# KiCad board IO_SDR_1.1.kicad_pcb (continued)
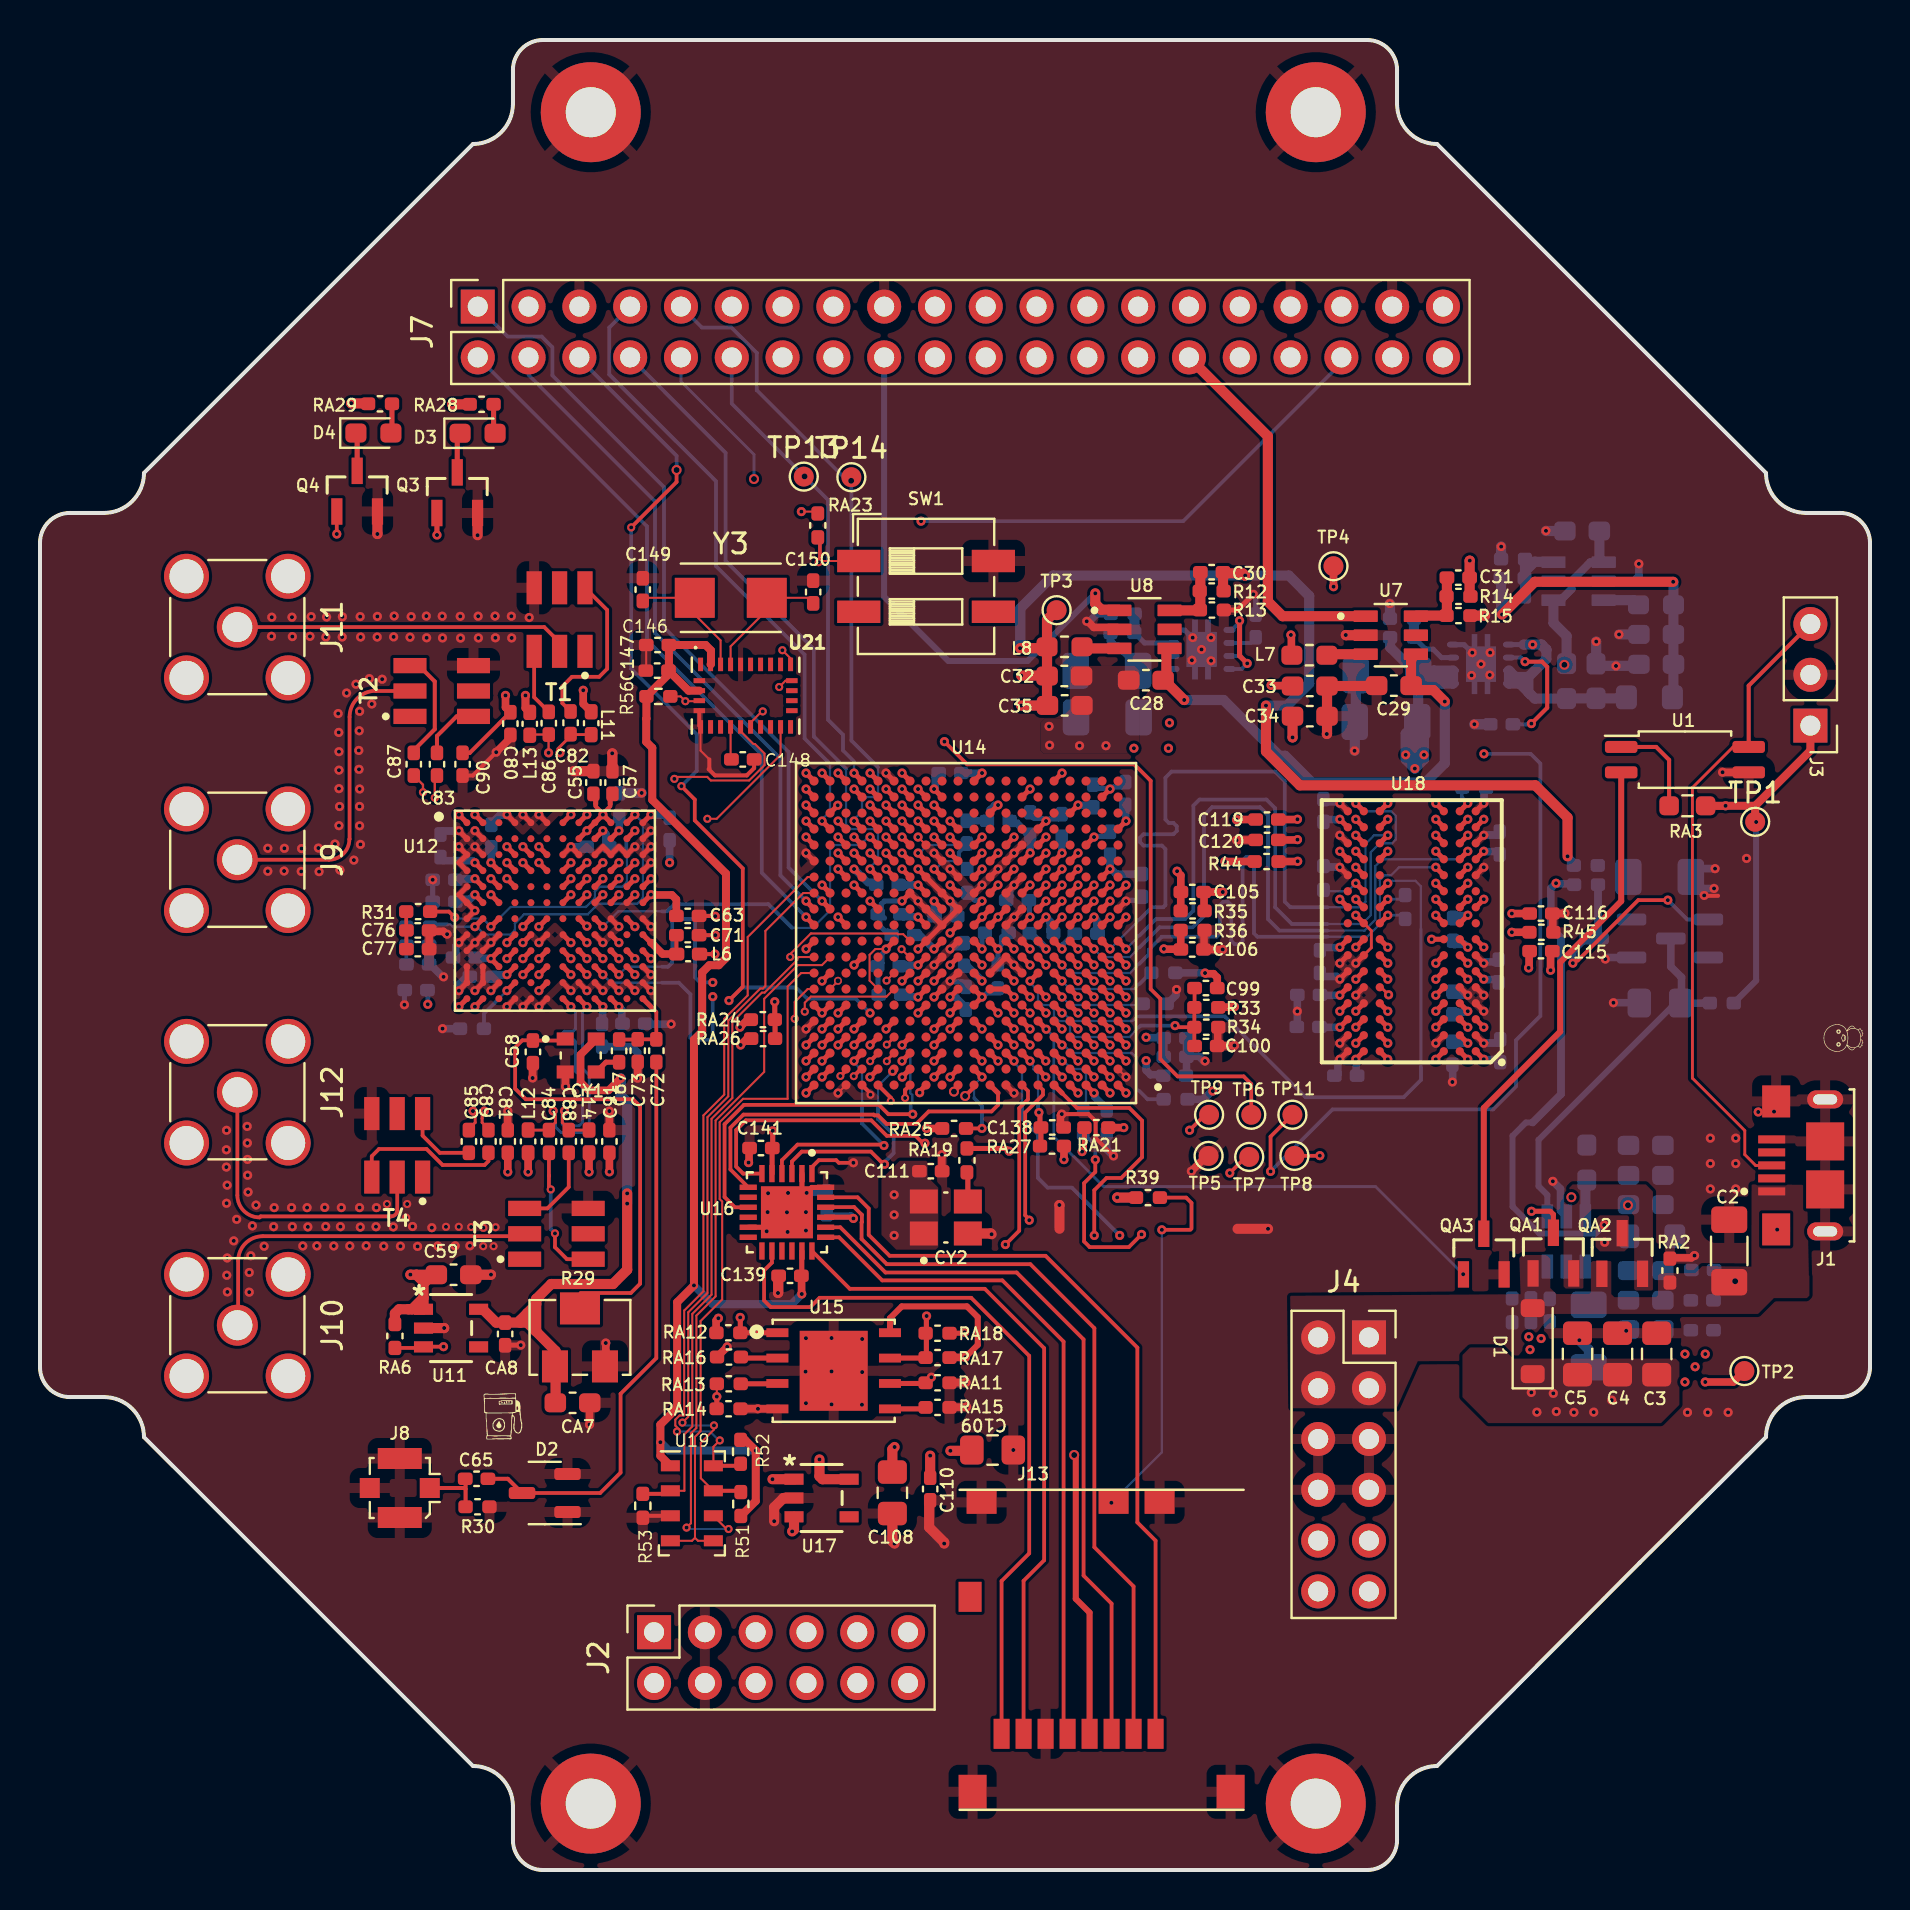
[diagram p0: board, top side]
## Routing (per net, layer and track width the routed paths; a pad name or vN(x,y) marks a point on that pad's centre or on a via; arc(x,y) is an arc through that point) (continued)
VDDA1P1_RX_VCO: length 17.1
  Top.Cu w0.254: v1(21.75,47.17) U12.G2 ; U12.A11 v1(29.75,52.77)
  Bottom.Cu w0.113: v1(29.75,52.77) 30.14,52.37 30.14,48.6 29.86,48.32 27.92,48.32 27.39,47.78 24.2,47.78 23.75,47.33 23.75,47 23.51,46.77 22.23,46.77 21.83,47.17 v1(21.75,47.17) 20.64,47.17 20.52,47.29 20.35,47.29
  Bottom.Cu w0.203: 19.63,47.29 20.35,47.29
+12L: length 28.1
  Top.Cu w0.254: v1(21.75,49.57) U12.E2 ; 22.95,45.17 v1(22.55,45.57) 22.95,45.97 ; U12.B9 v1(28.15,51.97) ; U12.B10 v1(28.95,51.97) ; v1(21.75,48.77) U12.F2
  Bottom.Cu w0.254: v1(19.39,43.29) 19.39,43.98
  Bottom.Cu w0.381: 21.83,45.58 22.53,45.58 v1(22.55,45.57) ; v1(28.95,51.97) 28.96,51.98 28.96,52.69 ; v1(28.15,51.97) 28.15,51.95 28.29,51.8 28.29,51.28 ; v1(21.75,49.57) 21.73,49.55 20.81,49.55 ; 20.89,48.54 21.5,48.54 21.72,48.77 v1(21.75,48.77) ; v1(31.48,50.37) C54.1
  Bottom.Cu w0.508: 70.16,59.51 69.94,59.73 C23.1 ; 70.16,59.51 69.7,59.97 ; 70.16,59.51 70.4,59.51 70.65,59.76 ; 70.16,59.51 70.16,59.32 ; v1(68.74,55.07) 68.28,55.53 v1(68.28,55.76) ; v1(68.74,55.07) 69.2,55.53 v1(69.2,55.76) ; v1(68.74,55.07) 68.74,55.27 ; C27.1 68.28,56.82 v1(68.28,55.76) ; 68.74,55.27 69.2,55.73 v1(69.2,55.76) ; 68.74,55.27 68.74,57.28 ; v1(69.2,55.76) 69.2,57.06 ; 70.16,59.32 U5.1 70.65,59.76 ; 70.16,59.32 69.32,59.32 ; 69.15,59.97 69.7,59.97 ; 69.7,59.97 U5.2 70.65,59.76 ; C23.1 67.5,61.14 R8.1 ; C23.1 68.91,57.45 ; v1(68.28,55.76) 68.29,55.75
+VSW: length 3
  Top.Cu w0.203: 31.82,45.81 C71.1
  Top.Cu w0.254: 30.15,46.77 30.55,46.37
  Top.Cu w0.381: 31.83,45.8 31.13,45.8 30.57,46.37 30.55,46.37
/Sheet1/TPP: length 33
  Top.Cu w0.254: v1(59.98,62.46) 59.98,60.71 v1(60.36,60.33)
  In2_Sig1.Cu w0.113: v1(74.63,61.27) 74.58,61.27 73.89,61.96 71.18,61.96 70.67,62.46 v1(59.98,62.46)
  Bottom.Cu w0.186: v1(59.98,62.46) 59.98,62.39 59.59,62 ; U6.7 59.99,60.7 v1(60.36,60.33) 60.08,60.05 U6.8
  Bottom.Cu w0.254: U5.5 74.19,61.27
  Bottom.Cu w0.508: 75.08,61.27 v1(74.63,61.27) 74.19,61.27 ; 75.08,61.27 75.08,61.23 75.32,60.99 ; 75.08,61.27 75.32,61.03 75.32,60.99 ; 75.32,60.99 75.32,60.55 74.42,59.65 ; 74.42,59.65 74.42,58.89 74.52,58.79 ; 74.42,59.65 73.77,59.65 U5.7 U5.8 73.99,59.32 74.52,58.79 ; L2.2 74.74,58.57 74.52,58.79 ; 76.34,58.58 79.27,58.58
/Sheet3/RX1A_N: length 10.3
  Top.Cu w0.142: 21.44,37.06 21.76,37.37 21.76,37.72
  Top.Cu w0.254: v1(21.75,43.17) U12.M2
  In4PWR2.Cu w0.113: v1(21.75,43.17) 21.75,43.15 21.52,42.93 21.52,41.8 20.6,40.88 20.6,39.53 20.72,39.41 20.9,39.41 21.02,39.29 21.02,39.14 20.9,39.02 20.72,39.02 20.6,38.9 20.6,38.74 20.72,38.62 20.9,38.62 21.02,38.5 21.02,38.34 20.9,38.22 20.72,38.22 20.6,38.11 20.6,37.63 20.84,37.39 21.68,37.39 21.76,37.48 21.76,37.75 21.65,37.86 v1(21.65,37.95)
/Sheet3/RX1A_P: length 10.4
  Top.Cu w0.142: 22.11,37.75 22.11,37.37 22.42,37.06
  Top.Cu w0.254: v1(20.95,43.17) 21.35,43.57
  In4PWR2.Cu w0.113: v1(20.95,43.17) 20.95,43.15 21.17,42.93 21.17,41.95 20.25,41.03 20.25,37.49 20.69,37.05 21.82,37.05 22.11,37.33 22.11,37.75 22.22,37.86 v1(22.22,37.95)
/Sheet3/RX2A_N: length 3.1
  Top.Cu w0.113: v3(19.74,53.61) 19.74,54.61
  Top.Cu w0.254: v1(20.95,52.77) 21.35,52.37
  In4PWR2.Cu w0.113: v3(19.74,53.61) 19.82,53.53 20.18,53.53 v1(20.95,52.77)
/Sheet3/RX2A_P: length 4.7
  Top.Cu w0.113: C87.1 19.15,54.26 v3(19.15,53.89)
  Top.Cu w0.254: v1(21.75,52.77) U12.A2
  In4PWR2.Cu w0.113: v1(21.75,52.77) 20.55,53.96 20.39,53.96 20.38,53.97 19.23,53.97 v3(19.15,53.89)
/Sheet3/SUP: length 28.6
  Top.Cu w0.186: 30.82,40.4 30.82,25.6 29.03,23.81 29.03,19.87 28.01,18.85 D2.3
  Top.Cu w0.2: D2.3 23.39,19.56 C65.1
/Sheet3/TX1A_N: length 11.4
  Top.Cu w0.142: 25.77,37.75 25.77,37.38 25.45,37.05 ; 24.41,37 C84.1
  Top.Cu w0.254: 26.95,43.57 v1(27.35,43.17)
  Bottom.Cu w0.142: v1(25.66,37.95) 25.66,37.87 25.77,37.75 25.77,37.16 26.06,36.87 27.1,36.87 27.47,37.24 27.47,39.73 27.12,40.08 27.12,42.93 27.35,43.15 v1(27.35,43.17)
/Sheet3/TX1A_P: length 11.3
  Top.Cu w0.142: 26.11,37.75 26.11,37.38 26.44,37.05 ; C88.1 27.45,37
  Top.Cu w0.254: 26.15,43.57 v1(26.55,43.17)
  Bottom.Cu w0.142: v1(26.55,43.17) 26.55,43.15 26.77,42.93 26.77,42.06 26.65,41.94 26.22,41.94 26.1,41.82 26.1,41.66 26.22,41.54 26.65,41.54 26.77,41.42 26.77,39.94 27.12,39.59 27.12,37.38 26.96,37.22 26.2,37.22 26.11,37.3 26.11,37.75 26.23,37.87 v1(26.23,37.95)
/Sheet3/TX2A_N: length 9.5
  Top.Cu w0.142: 25.89,56.06 26.6,56.77 27.55,56.77
  Top.Cu w0.254: 26.15,52.37 v1(26.55,52.77)
  In4PWR2.Cu w0.113: v1(26.55,52.77) 26.55,52.78 26.77,53.01 26.77,53.47 27.47,54.16 27.47,56.21 27.31,56.37 27.03,56.37 26.96,56.29 26.96,55.82 26.88,55.73 26.61,55.73 26.53,55.82 26.53,56.24 26.4,56.37 26.06,56.37 25.89,56.19 25.89,56.06 26,55.94 v1(26,55.86)
/Sheet3/TX2A_P: length 9.5
  Top.Cu w0.113: v1(25.43,55.86) 25.43,56.76 ; C86.1 24.52,56.77
  Top.Cu w0.254: 26.95,52.37 v1(27.35,52.77)
  In4PWR2.Cu w0.113: v1(27.35,52.77) 27.35,52.78 27.12,53.01 27.12,53.33 27.81,54.02 27.81,56.36 27.46,56.71 25.92,56.71 25.54,56.33 25.54,56.06 25.43,55.94 v1(25.43,55.86)
/Sheet3/UB1: length 16.4
  Top.Cu w0.186: 25.98,61.38 25.21,62.15 J11.1
/Sheet3/UB2: length 16.1
  Top.Cu w0.186: J9.1 14.44,50.51 arc(15.17,50.81) 15.47,51.54 15.48,51.55 15.48,57.65 arc(15.86,58.58) 16.79,58.96 16.8,58.95 T2.2
/Sheet3/UB3: length 18.1
  Top.Cu w0.186: 24.11,31.69 11.14,31.69 arc(10.27,31.33) 9.91,30.46 9.91,27.28
/Sheet3/UB4: length 15.6
  Top.Cu w0.186: J12.1 9.87,33.74 arc(10.19,32.95) 10.98,32.63 11.03,32.68 17.55,32.68 arc(17.75,32.75) 17.86,32.94 17.86,34.64
/Sheet3/XT1: length 4.2
  Top.Cu w0.186: 28.96,41.52 29.88,41.52 ; C73.1 30.82,41.53 30.82,42.9 30.55,43.17
  Top.Cu w0.254: 30.15,43.57 30.55,43.17
/Sheet4/CMDB0: length 35.2
  Top.Cu w0.186: U16.20 40.01,32.14 42.27,29.88 48.83,29.88 52.18,26.53 52.18,14.72 53.58,13.32 53.58,7.16
/Sheet4/CMDB1: length 33.5
  Top.Cu w0.186: 51.18,7.01 51.18,26.42 48.12,29.48 42.11,29.48 39.96,31.64 U16.19
/Sheet4/DAT0: length 33.3
  Top.Cu w0.186: J13.7 49.18,14.46 50.21,15.49 50.21,26.09 47.24,29.06 40.49,29.06 U16.18
/Sheet4/DAT1: length 36.9
  Top.Cu w0.186: J13.8 48.08,14.45 49.46,15.83 49.46,25.71 46.56,28.61 38.98,28.61 38.52,28.15 36.53,28.15 36.2,28.48 36.2,29.98 36.6,30.37 U16.14
/Sheet4/DAT2: length 39.2
  Top.Cu w0.186: U16.23 40.88,33.64 41.44,33.08 41.44,31.75 42.48,30.71 50.28,30.71 54.87,26.12 54.87,17.38 55.78,16.47 J13.1
/Sheet4/DAT3: length 37.8
  Top.Cu w0.186: 39.29,33.15 40.71,33.15 41.08,32.77 41.08,32.77 41.09,32.75 41.09,32.4 41.08,32.39 41.08,31.55 42.34,30.29 49.52,30.29 52.72,27.09 52.72,16.14 54.68,14.18 J13.2
/Sheet4/DDR-CK_N: length 33.7
  Top.Cu w0.254: U14.M2 v1(53.5,48.45) ; U18.K7 v1(67.39,48.54)
  In4PWR2.Cu w0.113: v1(53.5,48.45) 53.5,48.36 53.9,47.97 53.9,47.23 54.16,46.97 54.44,46.97 55.12,47.64 57.24,47.64 57.32,47.73 57.32,50.36 57.61,50.64 58.39,50.64 58.68,50.36 58.68,47.78 58.81,47.64 59.63,47.64 59.71,47.73 59.71,50.13 60,50.41 60.68,50.41 60.97,50.13 60.97,47.41 61.05,47.32 61.57,47.32 61.66,47.41 61.66,49.59 61.94,49.88 62.69,49.88 63.02,49.55 63.02,47.41 63.1,47.32 64.56,47.32 64.58,47.31 66.08,47.31 66.19,47.41 66.19,48.29 66.44,48.54 v1(67.39,48.54)
  Bottom.Cu w0.142: 68.01,48.54 67.39,48.54 v1(67.39,48.54)
/Sheet4/DDR-CK_P: length 33.7
  Top.Cu w0.254: U18.J7 v1(67.39,47.74) ; U14.L2 v1(53.5,47.65)
  In4PWR2.Cu w0.113: v1(53.5,47.65) 53.56,47.59 53.56,47.08 54.02,46.62 54.58,46.62 55.26,47.3 57.38,47.3 57.67,47.59 57.67,50.21 57.75,50.3 58.25,50.3 58.33,50.21 58.33,47.63 58.66,47.3 59.77,47.3 60.05,47.59 60.05,49.98 60.14,50.07 60.54,50.07 60.62,49.98 60.62,47.26 60.91,46.98 61.72,46.98 62,47.26 62,49.45 62.08,49.53 62.54,49.53 62.67,49.41 62.67,47.26 62.96,46.98 64.56,46.98 64.58,46.99 66.21,46.99 66.5,47.28 66.5,48.15 66.57,48.22 67.14,48.22 67.32,48.04 67.32,47.8 v1(67.39,47.74)
  Bottom.Cu w0.142: v1(67.39,47.74) 68.06,47.74
/Sheet4/DDR-DQ0: length 30.8
  Top.Cu w0.254: v1(69.79,43.74) U18.E3 ; U14.C3 v1(52.7,40.45)
  In4PWR2.Cu w0.113: v1(52.7,40.45) 52.7,40.36 52.3,39.97 52.3,38.39 53.02,37.67 68.18,37.67 70.9,40.39 70.9,43.01 71.22,43.34 71.55,43.34 71.79,43.57 71.79,44.7 71.55,44.94 71.21,44.94 70.07,43.8 69.85,43.8 v1(69.79,43.74)
/Sheet4/DDR-DQ1: length 30.9
  Top.Cu w0.254: U14.B3 v1(52.7,39.65) ; U18.F7 v1(67.39,44.54)
  In4PWR2.Cu w0.113: v1(67.39,44.54) 66.99,44.54 66.76,44.31 66.76,41.86 66.68,41.79 66.38,41.79 66.2,41.97 66.2,42.36 66.02,42.54 64.6,42.54 64.4,42.34 64.4,41.7 64.32,41.63 64.08,41.63 63.95,41.76 63.95,42.77 63.82,42.9 63.65,42.9 63.52,42.77 63.52,41.75 63.39,41.62 63.22,41.62 63.09,41.75 63.09,42.33 62.96,42.46 62.79,42.46 62.66,42.33 62.66,41.75 62.53,41.62 62.36,41.62 62.23,41.75 62.23,42.69 62.1,42.82 61.93,42.82 61.8,42.69 61.8,41.75 61.67,41.62 61.5,41.62 61.37,41.75 61.37,42.69 61.24,42.82 61.07,42.82 60.94,42.69 60.94,41.76 60.81,41.63 60.7,41.63 60.05,42.27 58.9,42.27 58.78,42.16 58.78,41.56 58.6,41.37 56.05,41.37 55.86,41.56 55.86,42.02 55.76,42.12 55,42.12 54.74,41.86 54.74,41.12 54.47,40.85 53.3,40.85 53.1,40.65 53.1,40.28 52.99,40.18 52.99,40.06 52.86,39.93 52.86,39.9 52.7,39.74 v1(52.7,39.65)
/Sheet4/DDR-DQ2: length 29.4
  Top.Cu w0.254: U14.A2 v1(53.5,38.85) ; U18.F2 v1(71.39,44.54)
  In4PWR2.Cu w0.113: v1(53.5,38.85) 53.56,38.79 53.56,38.21 53.78,37.98 54.23,37.98 54.35,38.11 54.35,38.15 54.48,38.28 54.66,38.28 54.79,38.15 54.79,38.09 54.91,37.96 55.09,37.96 55.22,38.09 55.22,38.43 55.35,38.56 55.52,38.56 55.65,38.43 55.65,38.09 55.78,37.96 55.95,37.96 56.08,38.09 56.08,38.43 56.21,38.56 56.38,38.56 56.51,38.43 56.51,38.09 56.64,37.96 56.81,37.96 56.94,38.09 56.94,38.43 57.07,38.56 57.24,38.56 57.37,38.43 57.37,38.11 57.5,37.98 67.99,37.98 70.67,40.67 70.67,41.25 70.56,41.36 70.3,41.36 70.19,41.47 70.19,41.62 70.3,41.73 70.56,41.73 70.67,41.84 70.67,41.99 70.56,42.1 70.3,42.1 70.19,42.21 70.19,42.35 70.3,42.46 70.56,42.46 70.67,42.57 70.67,42.72 70.56,42.83 70.3,42.83 70.19,42.94 70.19,43.09 70.3,43.2 70.56,43.2 70.67,43.31 70.67,43.82 v1(71.39,44.54)
/Sheet4/DDR-DQ3: length 29.9
  Top.Cu w0.254: v1(65.79,44.54) U18.F8 ; U14.A4 v1(51.9,38.85)
  In4PWR2.Cu w0.113: v1(65.79,44.54) 65.71,44.54 65.31,44.94 64.6,44.94 64.25,45.29 64.25,45.8 64.08,45.96 59.78,45.96 59.67,45.86 59.67,44.35 59.55,44.23 58.99,44.23 58.84,44.38 58.84,45.45 58.15,46.13 57.59,46.13 56.65,45.19 56.65,45.04 57.13,44.56 57.79,44.56 58.23,44.12 58.23,43.67 58,43.44 56.49,43.44 56.35,43.58 56.35,44.43 56.22,44.56 55.94,44.56 55.69,44.3 55.69,43.72 55.41,43.44 54.9,43.44 54.71,43.25 53.34,43.25 53.1,43.01 53.1,41.08 52.87,40.85 52.64,40.85 52.64,40.85 52.54,40.85 52.3,40.61 52.3,40.28 52.06,40.05 51.74,40.05 51.5,39.81 51.5,39.71 51.5,39.71 51.5,38.91 51.57,38.85 v1(51.9,38.85)
/Sheet4/DDR-DQ4: length 30.4
  Top.Cu w0.254: v1(69.58,46.54) U18.H3 ; U14.D3 v1(52.7,41.25)
  In4PWR2.Cu w0.113: v1(52.7,41.25) 52.69,41.26 52.38,41.26 52.3,41.33 52.3,43.01 52.54,43.25 52.86,43.25 53.1,43.48 53.1,43.81 53.34,44.05 54.97,44.05 57.44,46.51 59.34,46.51 59.59,46.25 64.49,46.25 64.59,46.15 64.59,45.81 64.66,45.74 65.31,45.74 65.39,45.82 65.39,46.3 65.62,46.54 67.69,46.54 68.26,47.11 72.69,47.11 72.75,47.04 72.75,46.69 72.6,46.54 v1(69.58,46.54)
/Sheet4/DDR-DQ5: length 29.6
  Top.Cu w0.254: v1(65.79,46.14) U18.H8 ; U14.D1 v1(54.3,41.25)
  In4PWR2.Cu w0.113: v1(54.3,41.25) 54.3,41.25 53.97,41.25 53.9,41.32 53.9,42.38 53.97,42.45 54.51,42.45 55.16,43.09 57.11,43.09 57.21,42.99 57.21,42.09 57.31,41.99 57.96,41.99 58.06,42.09 58.06,42.99 58.16,43.09 58.99,43.09 59.09,43.2 59.09,43.79 59.19,43.9 59.93,43.9 60.03,44 60.03,45.57 60.13,45.67 60.59,45.67 60.72,45.54 60.72,45.28 60.85,45.16 61.02,45.16 61.15,45.28 61.15,45.54 61.28,45.67 61.45,45.67 61.58,45.54 61.58,45.28 61.71,45.16 61.88,45.16 62.01,45.28 62.01,45.54 62.14,45.67 62.31,45.67 62.44,45.54 62.44,45.29 62.57,45.16 62.74,45.16 62.87,45.29 62.87,45.54 63,45.67 63.84,45.67 63.95,45.57 63.95,44.56 64.37,44.14 65.35,44.14 65.35,44.14 65.95,44.14 66.86,45.05 66.86,45.28 66.8,45.34 66.36,45.34 65.95,44.94 65.63,44.94 65.39,45.17 65.39,45.5 65.62,45.74 66.87,45.74 66.94,45.8 66.94,46.22 66.87,46.28 66.03,46.28 65.88,46.14 v1(65.79,46.14)
/Sheet4/DDR-DQ6: length 30.3
  Top.Cu w0.254: U18.G2 v1(71.39,45.34) ; U14.C1 v1(54.3,40.45)
  In4PWR2.Cu w0.113: v1(54.3,40.45) 54.36,40.5 54.58,40.5 55.08,41 58.99,41 59.11,41.13 59.11,41.84 59.22,41.94 59.9,41.94 60.51,41.33 64.1,41.33 64.4,41.03 64.4,40.34 64.6,40.14 66.11,40.14 66.3,40.34 66.3,41.39 66.37,41.46 66.85,41.46 66.92,41.39 66.92,40.34 67.12,40.14 67.55,40.14 68.18,40.77 68.18,43.11 67.95,43.34 67.12,43.34 66.99,43.46 66.99,44.01 67.13,44.15 67.77,44.15 67.98,44.35 67.98,45.01 68.01,45.05 68.01,45.71 68.33,46.03 70.7,46.03 v1(71.39,45.34)
/Sheet4/DDR-DQ7: length 29.6
  Top.Cu w0.254: U18.H7 v1(67.39,46.14) ; U14.E1 v1(54.3,42.05)
  In4PWR2.Cu w0.113: v1(54.3,42.05) 54.39,42.05 54.56,42.22 54.69,42.22 55.28,42.8 55.97,42.8 56.19,42.58 56.19,41.79 56.32,41.66 58.2,41.66 58.38,41.84 58.38,42.3 58.68,42.6 60.15,42.6 60.26,42.7 60.26,43.49 60.39,43.62 60.73,43.62 60.86,43.75 60.86,44.74 60.99,44.86 61.16,44.86 61.29,44.74 61.29,43.24 61.42,43.11 61.59,43.11 61.72,43.24 61.72,44.74 61.85,44.86 62.02,44.86 62.15,44.74 62.15,43.46 62.28,43.33 62.45,43.33 62.58,43.46 62.58,44.74 62.71,44.87 62.88,44.87 63.01,44.74 63.01,43.55 63.14,43.42 63.31,43.42 63.44,43.55 63.44,44.13 63.57,44.26 63.74,44.26 63.87,44.13 63.87,43.75 64,43.62 64.17,43.62 64.45,43.34 66.33,43.34 66.46,43.46 66.46,44.32 67.07,44.94 67.55,44.94 67.79,45.17 67.79,46.07 67.72,46.13 67.39,46.13 v1(67.39,46.14)
/Sheet4/DDR-DQ8: length 27.4
  Top.Cu w0.254: U18.D7 v1(67.39,42.94) ; U14.E2 v1(53.5,42.05)
  In2_Sig1.Cu w0.113: v1(67.39,42.94) 68.42,42.94 68.82,43.34 69.95,43.34 70.19,43.1 70.19,42.77 69.95,42.54 69.06,42.54 68.94,42.42 68.94,40.47 ; 63.99,38.89 63.48,38.38 57.08,38.38 56.45,39.02 56.45,41.38 55.38,42.45 53.9,42.45 v1(53.5,42.05) ; 63.99,38.9 64.13,39.03 67.51,39.03 68.94,40.47
/Sheet4/DDR-DQ9: length 28.1
  Top.Cu w0.254: U14.E3 v1(52.7,42.05) ; v1(69.79,42.14) U18.C3
  In2_Sig1.Cu w0.113: v1(69.79,42.14) 69.28,42.14 69.2,42.06 69.2,40.11 67.83,38.74 64.44,38.74 63.73,38.03 56.27,38.03 56.07,38.23 56.07,38.39 55.94,38.52 55.15,38.52 55.02,38.64 55.02,38.82 55.15,38.95 56.03,38.95 56.16,39.08 56.16,39.25 56.03,39.38 55.15,39.38 55.02,39.51 55.02,39.68 55.15,39.81 55.94,39.81 56.07,39.94 56.07,40.95 55.94,41.08 55.13,41.08 54.55,41.65 53.18,41.65 52.78,42.05 v1(52.7,42.05)
/Sheet4/DDR-DQ10: length 28.3
  Top.Cu w0.254: v1(65.79,42.14) U18.C8 ; U14.G3 v1(52.7,43.65)
  In2_Sig1.Cu w0.113: v1(52.7,43.65) 52.7,43.73 53.1,44.13 53.1,44.61 53.34,44.85 54.46,44.85 54.75,45.13 54.75,46.16 54.85,46.26 55.58,46.26 55.66,46.18 55.66,45.7 55.76,45.6 56.63,45.6 56.76,45.73 56.76,46.06 56.86,46.17 58.16,46.17 58.79,45.55 59.34,45.55 59.34,45.55 59.47,45.55 59.64,45.38 59.64,45.12 59.8,44.95 60.03,44.95 60.19,45.12 60.19,45.52 60.36,45.69 60.58,45.69 60.75,45.52 60.75,45.12 60.92,44.95 61.14,44.95 61.31,45.12 61.31,45.52 61.48,45.69 61.7,45.69 61.87,45.52 61.87,45.12 62.03,44.95 62.26,44.95 62.43,45.12 62.43,45.38 62.59,45.55 63.61,45.55 64.47,44.68 64.47,44.38 64.71,44.14 65.96,44.14 66.48,44.66 66.84,44.66 66.99,44.5 66.99,43.75 66.58,43.34 65.52,43.34 65.39,43.21 65.39,42.67 65.53,42.54 66.39,42.54 66.46,42.47 66.46,41.9 66.39,41.84 66.09,41.84 v1(65.79,42.14)
/Sheet4/DDR-DQ11: length 27.6
  Top.Cu w0.254: U14.H3 v1(52.7,44.45) ; U18.C2 v1(71.39,42.14)
  In2_Sig1.Cu w0.113: v1(52.7,44.45) 52.62,44.45 52.22,44.85 51.74,44.85 51.5,45.08 51.5,46.55 52.21,47.25 60.59,47.25 61.15,46.69 67.99,46.69 68.94,45.74 69.97,45.74 70.88,44.84 70.88,42.65 v1(71.39,42.14)
/Sheet4/DDR-DQ12: length 28
  Top.Cu w0.254: U18.A7 v1(67.39,40.54) ; U14.J3 v1(52.7,45.25)
  In2_Sig1.Cu w0.113: v1(67.39,40.54) 68.05,40.54 68.34,40.82 68.34,42.3 68.09,42.54 66.9,42.54 66.71,42.73 66.71,43.13 66.92,43.34 68.36,43.34 68.92,43.9 68.92,44.43 68.67,44.68 68.36,44.68 68.21,44.53 68.21,44.24 68.14,44.18 67.85,44.18 67.79,44.24 67.79,44.8 67.65,44.94 64.7,44.94 63.66,45.98 60.67,45.98 60.05,46.59 53.27,46.59 53.1,46.41 53.1,45.73 52.7,45.33 v1(52.7,45.25)
/Sheet4/DDR-DQ13: length 27.8
  Top.Cu w0.254: U18.A2 v1(71.39,40.54) ; U14.H2 v1(53.5,44.45)
  In2_Sig1.Cu w0.113: v1(53.5,44.45) 53.5,44.35 53.33,44.18 53.33,44.04 53.1,43.81 53.1,42.69 52.87,42.45 52.53,42.45 52.3,42.22 52.3,41.88 52.54,41.65 52.86,41.65 53.1,41.41 53.1,41.08 53.34,40.85 53.67,40.85 53.9,40.61 53.9,38.57 54.77,37.7 64.04,37.7 64.79,38.45 68.45,38.45 70.54,40.54 v1(71.39,40.54)
/Sheet4/DDR-DQ14: length 28.1
  Top.Cu w0.254: v1(65.79,41.34) U18.B8 ; U14.H1 v1(54.3,44.45)
  In2_Sig1.Cu w0.113: v1(54.3,44.45) 54.36,44.5 54.79,44.5 55.23,44.94 57.11,44.94 57.74,44.3 58.03,44.3 58.2,44.13 58.2,43.63 58.37,43.47 58.59,43.47 58.76,43.63 58.76,45.09 58.93,45.26 59.15,45.26 59.32,45.09 59.32,43.81 59.49,43.64 59.71,43.64 59.88,43.81 59.88,44.49 60.04,44.66 60.27,44.66 60.43,44.49 60.43,43.74 60.6,43.57 60.83,43.57 60.99,43.74 60.99,44.49 61.16,44.66 61.38,44.66 61.55,44.49 61.55,43.74 61.72,43.57 61.94,43.57 62.11,43.74 62.11,44.49 62.28,44.66 62.5,44.66 62.67,44.49 62.67,43.63 62.83,43.47 63.06,43.47 63.22,43.63 63.22,44.13 63.39,44.3 63.94,44.3 64.27,43.97 64.27,42.5 64.17,42.4 62.87,42.4 62.72,42.24 62.72,41.94 62.92,41.74 65.39,41.74 v1(65.79,41.34)
/Sheet4/DDR-DQ15: length 28.4
  Top.Cu w0.254: U14.J1 v1(54.3,45.25) ; v1(69.79,40.54) U18.A3
  In2_Sig1.Cu w0.113: v1(69.79,40.54) 69.85,40.54 69.85,40.6 70.44,41.19 70.44,43.69 70,44.14 69.62,44.14 68.03,45.74 64.67,45.74 64.09,46.31 60.89,46.31 60.31,46.89 52.77,46.89 52.3,46.43 52.3,45.08 52.54,44.85 52.87,44.85 53.1,45.09 53.1,45.41 53.34,45.65 53.82,45.65 54.22,45.25 v1(54.3,45.25)
/Sheet4/DDR-LDM: length 31.7
  Top.Cu w0.142: 67.05,44.14 v1(67.43,43.76)
  Top.Cu w0.254: U14.A1 v1(54.3,38.85)
  In4PWR2.Cu w0.113: v1(54.3,38.85) 57.97,38.85 58.38,38.43 63.7,38.43 63.87,38.6 63.87,38.97 64.03,39.14 64.26,39.14 64.42,38.97 64.42,38.44 64.59,38.27 64.82,38.27 64.98,38.44 64.98,38.97 65.15,39.14 65.37,39.14 65.54,38.97 65.54,38.44 65.71,38.27 65.93,38.27 66.1,38.44 66.1,38.97 66.27,39.14 66.49,39.14 66.66,38.97 66.66,38.6 66.82,38.43 67.67,38.43 69.12,39.88 69.12,43.92 69.34,44.14 70.09,44.14 70.34,44.39 70.34,45.6 70.19,45.75 68.47,45.75 68.24,45.53 68.24,44.82 68.21,44.78 68.21,44.07 67.88,43.74 67.44,43.74 v1(67.43,43.76)
/Sheet4/DDR-LDQS_N: length 30.8
  Top.Cu w0.254: U14.B2 v1(53.5,39.65) ; v1(69.79,45.34) U18.G3
  In4PWR2.Cu w0.113: v1(53.5,39.65) 53.9,40.05 54.47,40.05 54.87,39.64 55.2,39.64 55.32,39.76 55.32,39.88 55.44,40 55.59,40 55.71,39.88 55.71,39.76 55.83,39.64 55.99,39.64 56.11,39.76 56.11,40.1 56.23,40.22 56.39,40.22 56.51,40.1 56.51,39.76 56.62,39.64 56.94,39.64 57.05,39.75 59.08,39.75 59.24,39.91 59.24,40.4 59.6,40.76 60.1,40.76 60.46,40.4 60.46,39.4 60.61,39.25 60.82,39.25 60.98,39.4 60.98,40.67 61.34,41.02 61.83,41.02 62.19,40.67 62.19,39.4 62.35,39.25 62.56,39.25 62.72,39.4 62.72,40.54 63.08,40.9 63.57,40.9 63.93,40.54 63.93,39.91 64.09,39.75 67.74,39.75 68.45,40.47 68.45,44.44 69.12,45.11 69.55,45.11 69.78,45.34 v1(69.79,45.34)
/Sheet4/DDR-LDQS_P: length 30.8
  Top.Cu w0.254: v1(69.79,44.54) U18.F3 ; U14.C2 v1(53.5,40.45)
  In4PWR2.Cu w0.113: v1(53.5,40.45) 53.5,40.35 53.22,40.07 53.22,39.93 53.1,39.81 53.1,39.48 53.34,39.25 54.88,39.25 54.88,39.25 54.93,39.3 57.08,39.3 57.19,39.41 59.23,39.41 59.59,39.77 59.59,40.26 59.74,40.42 59.95,40.42 60.11,40.26 60.11,39.26 60.47,38.9 60.96,38.9 61.32,39.26 61.32,40.52 61.48,40.68 61.69,40.68 61.85,40.52 61.85,39.26 62.21,38.9 62.7,38.9 63.06,39.26 63.06,40.4 63.22,40.56 63.43,40.56 63.58,40.4 63.58,39.77 63.94,39.41 67.88,39.41 68.79,40.32 68.79,44.3 69.26,44.76 69.55,44.76 69.78,44.54 v1(69.79,44.54)
/Sheet4/DDR-RESET: length 48.2
  Top.Cu w0.254: U18.T2 v1(71.39,53.34) ; U14.B4 v1(51.9,39.65)
  In2_Sig1.Cu w0.113: v1(51.9,39.65) 51.9,39.57 52.3,39.17 52.3,38.16 54.29,36.17 57.67,36.17 58.63,37.14 64.6,37.14 65.57,38.12 68.98,38.12 69.25,38.38 70.8,38.38 72.53,40.11 76.54,40.11 77.4,40.97 77.4,50.75 75.22,52.94 71.79,52.94 v1(71.39,53.34)
  Bottom.Cu w0.186: 71.09,53.9 71.09,53.64 v1(71.39,53.34)
/Sheet4/DDR-UDM: length 27.2
  Top.Cu w0.254: v1(69.79,42.94) U18.D3 ; U14.F1 v1(54.3,42.85)
  In2_Sig1.Cu w0.113: v1(69.79,42.94) 69,42.94 68.67,42.6 68.67,40.67 67.34,39.34 64.03,39.34 63.87,39.18 59.26,39.18 58.89,39.55 58.89,41.61 58.73,41.76 57.64,41.76 57.57,41.68 57.57,39.1 57.49,39.02 56.93,39.02 56.85,39.1 56.85,41.46 55.46,42.85 v1(54.3,42.85)
/Sheet4/DDR-UDQS_N: length 27.3
  Top.Cu w0.254: U18.B7 v1(67.39,41.34) ; U14.F2 v1(53.5,42.85)
  In2_Sig1.Cu w0.113: v1(53.5,42.85) 53.9,43.25 54.48,43.25 54.72,43.49 55.79,43.49 56.5,42.77 58.38,42.77 59.38,41.77 60.6,41.77 60.88,42.06 60.88,42.8 61.03,42.95 61.82,42.95 61.96,42.82 61.96,41.07 61.87,40.99 60.3,40.99 60.01,40.7 60.01,39.9 60.3,39.61 63.11,39.61 63.4,39.9 63.4,40.73 63.48,40.82 64.01,40.82 64.09,40.73 64.09,39.98 64.46,39.61 66.47,39.61 66.82,39.96 66.82,41.3 67.03,41.51 67.15,41.51 67.32,41.34 v1(67.39,41.34)
/Sheet4/DDR-UDQS_P: length 27.3
  Top.Cu w0.254: U18.C7 v1(67.39,42.14) ; U14.G2 v1(53.5,43.65)
  In2_Sig1.Cu w0.113: v1(67.39,42.14) 67.38,42.14 67.1,41.86 66.89,41.86 66.47,41.44 66.47,40.1 66.33,39.96 64.6,39.96 64.43,40.13 64.43,40.88 64.15,41.16 63.34,41.16 63.05,40.88 63.05,40.04 62.97,39.96 60.44,39.96 60.36,40.04 60.36,40.56 60.44,40.64 62.02,40.64 62.3,40.93 62.3,42.96 61.96,43.3 60.89,43.3 60.54,42.95 60.54,42.2 60.45,42.12 59.52,42.12 58.52,43.12 56.64,43.12 55.93,43.83 54.68,43.83 54.47,44.05 53.9,44.05 v1(53.5,43.65)
/Sheet4/H6: length 13.8
  Top.Cu w0.186: R33.2 R34.1 ; R34.1 56.83,42.14 v1(56.75,42.22) ; R34.1 57.72,41.21 ; C99.2 57.73,43.14
  Top.Cu w0.254: v1(49.5,44.45) U14.H6
  Bottom.Cu w0.113: v1(49.5,44.45) 49.5,44.36 49.9,43.97 49.9,43.49 50.14,43.25 50.46,43.25 50.7,43.01 50.7,42.69 50.94,42.45 51.27,42.45 51.5,42.21 51.5,41.89 51.74,41.65 54.47,41.65 54.97,42.16
  Bottom.Cu w0.186: v1(56.75,42.22) 55.04,42.22 54.97,42.16
/Sheet4/P6: length 4.4
  Top.Cu w0.254: U14.P6 v1(50.3,50.05)
  Top.Cu w0.381: 57,46.04 56.21,46.04 v1(56.19,46.05) ; v1(56.85,49.94) 56.85,49.92 57.04,49.73 57.04,48.9 ; 57.04,47.96 57.04,48.89 ; 57.04,46.03 57.04,46.99
/Sheet4/PS-DDR-A0: length 34.2
  Top.Cu w0.254: v1(69.79,50.94) U18.N3 ; U14.N2 v1(53.5,49.25)
  In4PWR2.Cu w0.113: v1(53.5,49.25) 53.5,49.33 54.15,49.98 55.24,49.98 55.5,50.24 55.5,52.06 55.37,52.19 55.1,52.19 54.97,52.32 54.97,52.49 55.1,52.62 56.13,52.62 56.26,52.75 56.26,52.92 56.13,53.05 55.63,53.05 55.5,53.18 55.5,54 55.62,54.12 60.73,54.12 61.63,55.02 64.32,55.02 64.47,54.87 64.47,51.49 64.63,51.34 64.83,51.34 64.83,51.34 66.06,51.34 66.48,51.76 66.48,53.53 67.09,54.15 68.42,54.15 69.12,53.45 69.12,52.3 69.29,52.14 70.56,52.14 70.7,52 70.7,51.08 70.55,50.94 v1(69.79,50.94)
/Sheet4/PS-DDR-A1: length 35
  Top.Cu w0.254: U18.P7 v1(67.39,51.74) ; U14.K2 v1(53.5,46.05)
  Bottom.Cu w0.113: 64.37,48.14 66,48.14 66.28,48.42 66.28,51.31 66.7,51.74 v1(67.39,51.74) ; v1(53.5,46.05) 54.97,47.52
  Bottom.Cu w0.186: 54.97,47.52 55.59,48.14 56.16,48.14 56.27,48.25 56.27,51.05 56.1,51.22 55.17,51.22 55,51.39 55,51.62 55.17,51.79 56.67,51.79 56.84,51.96 56.84,52.18 56.67,52.35 56.44,52.35 56.27,52.52 56.27,54.61 56.58,54.92 61.76,54.92 62.24,54.44 62.24,48.42 62.52,48.14 64.37,48.14
/Sheet4/PS-DDR-A2: length 34.2
  Top.Cu w0.254: U14.M3 v1(52.7,48.45) ; v1(69.79,51.74) U18.P3
  In4PWR2.Cu w0.113: v1(69.79,51.74) 68.79,51.74 68.72,51.8 68.72,53.36 68.35,53.74 67.04,53.74 66.7,53.4 66.7,51.66 66.4,51.36 66.4,50.87 66.07,50.54 64.49,50.54 63.98,51.05 63.98,53.55 63.7,53.83 63.14,53.83 62.97,53.66 62.97,53.32 62.8,53.15 62.58,53.15 62.41,53.32 62.41,54.56 62.24,54.73 62.02,54.73 61.85,54.56 61.85,52.72 61.68,52.56 61.46,52.56 61.29,52.72 61.29,53.66 61.13,53.83 57.11,53.83 56.7,53.42 56.7,52.06 55.79,51.15 55.79,50.12 55.32,49.65 54.14,49.65 53.9,49.41 53.9,48.94 53.81,48.85 53.19,48.85 52.79,48.45 v1(52.7,48.45)
